# Altium PCB BMS Slave V0.1.PcbDoc (part 5 of 6) (continued)
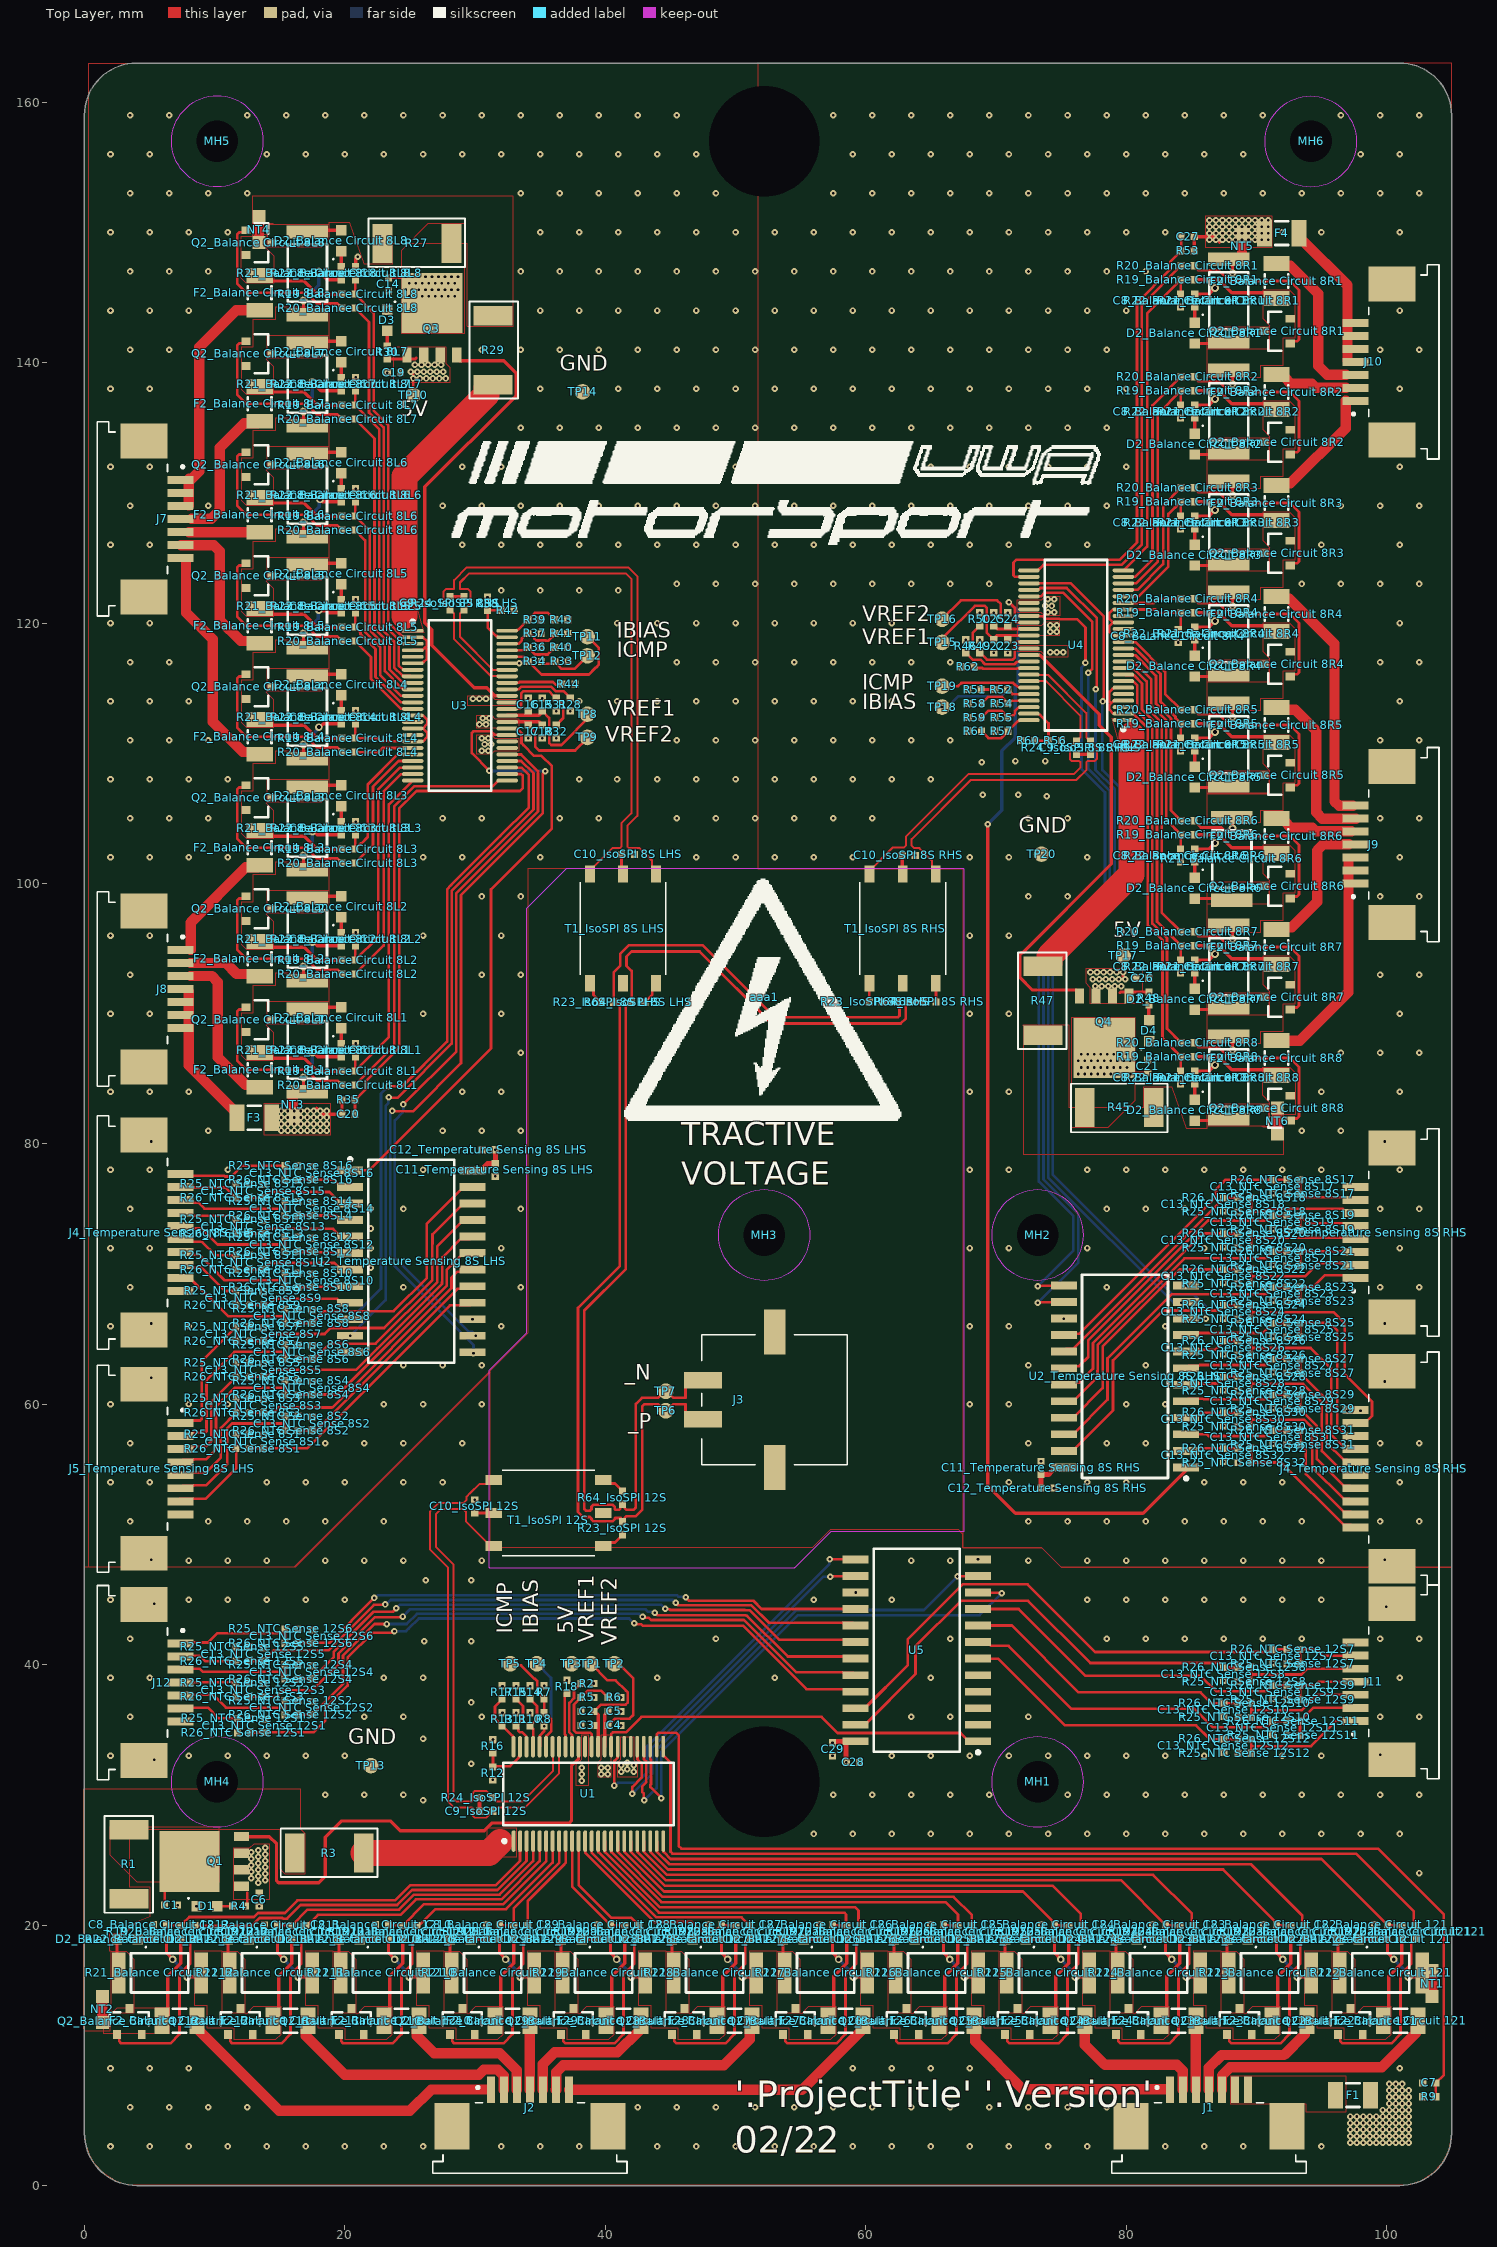
[diagram p0: Top Layer view]
## Nets (pads, with @x,y where several pads share a name; then routed paths per layer and width w, separated by ;. In a path a pad name is that pad's centre, name@x,y a point inside that pad or via, vN(x,y) a via of type N, cw(c..) or ccw(c..) an arc to the next point about the centre after c; other vN are vias at no path point) (continued)
"Out3_Temperature Sensing 8S LHS": "C13_NTC Sense 8S3.2" "R26_NTC Sense 8S3.1" "U2_Temperature Sensing 8S LHS.18" | length 22.2
  Top Layer w0.203: 12.65,59.35 12.663,59.363 13.738,59.363 13.75,59.375 14.525,59.375 14.9,59.75 18.992,59.75 19.01,59.768 19.046,59.768 28.19,68.913 28.19,69.74 28.633,70.183 29.643,70.183 29.8,70.34
"Out3_Temperature Sensing 8S RHS": "C13_NTC Sense 8S19.2" "R26_NTC Sense 8S19.1" "U2_Temperature Sensing 8S RHS.18" | length 22.7
  Top Layer w0.203: 75.213,62.773 75.37,62.93 76.38,62.93 77.1,63.65 77.1,64.92 86.292,74.113 90.887,74.113 91.25,74.475 91.262,74.488 92.337,74.488 92.35,74.5
Out4: "C13_NTC Sense 12S4.2" "R26_NTC Sense 12S4.1" U5.18 | length 46.6
  Top Layer w0.203: 16.4,38.9 16.413,38.913 17.488,38.913 17.5,38.925 19.149,40.574 19.149,41.005 22.211,44.067 23.684,44.067 v1(23.942,44.325) ; v1(44.611,44.3) 44.649,44.262 44.93,44.262 44.992,44.2 50.734,44.2 50.739,44.194 51.081,44.194 53.35,41.925 59.035,41.925 U5.18@59.225,41.735
  Bottom Layer w0.203: v1(23.942,44.325) 23.942,44.337 24.219,44.614 26.564,44.614 44.294,44.614 44.607,44.3 v1(44.611,44.3)
"Out4_Temperature Sensing 8S LHS": "C13_NTC Sense 8S4.2" "R26_NTC Sense 8S4.1" "U2_Temperature Sensing 8S LHS.19" | length 19.6
  Top Layer w0.203: 16.4,60.725 16.413,60.738 17.488,60.738 17.5,60.75 ; 16.5,60.75 19.145,60.75 19.453,60.75 27.835,69.132 27.835,69.888 27.835,70.345 29.1,71.61 29.8,71.61
"Out4_Temperature Sensing 8S RHS": "C13_NTC Sense 8S20.2" "R26_NTC Sense 8S20.1" "U2_Temperature Sensing 8S RHS.19" | length 19.4
  Top Layer w0.203: 75.213,61.503 75.371,61.661 76.379,61.661 77.457,62.74 77.457,63.197 77.457,64.703 85.867,73.113 87.512,73.113 ; 87.5,73.1 87.512,73.113 ; 88.6,73.125 88.587,73.113 87.512,73.113
Out5: "C13_NTC Sense 12S5.2" "R26_NTC Sense 12S5.1" U5.17 | length 49.5
  Top Layer w0.203: 12.65,40.275 12.663,40.288 13.738,40.288 13.75,40.3 14.571,41.121 18.762,41.121 22.241,44.6 v1@23.1,44.6 ; v1(45.4,44.75) 45.594,44.556 51.222,44.556 52.553,43.225 58.208,43.225 58.229,43.203 59.027,43.203 U5.17@59.225,43.005
  Bottom Layer w0.203: v1(23.092,44.625) 23.173,44.625 23.517,44.969 25.769,44.969 45.181,44.969 v1@45.497,44.653
"Out5_Temperature Sensing 8S LHS": "C13_NTC Sense 8S5.2" "R26_NTC Sense 8S5.1" "U2_Temperature Sensing 8S LHS.20" | length 22.5
  Top Layer w0.203: 12.65,62.1 12.663,62.113 13.738,62.113 13.75,62.125 ; 14.014,62.125 14.539,62.65 20.85,62.65 22.494,64.294 27.456,69.256 27.456,69.382 27.479,69.405 27.479,71.279 28.882,72.682 29.602,72.682 29.8,72.88
"Out5_Temperature Sensing 8S RHS": "C13_NTC Sense 8S21.2" "R26_NTC Sense 8S21.1" "U2_Temperature Sensing 8S RHS.20" | length 22.3
  Top Layer w0.203: 76.131,60.431 77.805,62.105 77.805,62.584 77.813,62.593 77.813,64.555 84.47,71.213 90.738,71.213 91.25,71.725 91.262,71.738 92.337,71.738 92.35,71.75
Out6: "C13_NTC Sense 12S6.2" "R26_NTC Sense 12S6.1" U5.16 | length 44.7
  Top Layer w0.203: 16.4,41.65 16.413,41.663 17.488,41.663 17.5,41.675 18.813,41.675 v1@22.213,45.075 ; v1(46.164,45.17) 46.172,45.17 46.431,44.911 51.37,44.911 52.006,44.275 U5.16@59.225,44.275
  Bottom Layer w0.203: v1(22.242,45.125) 22.323,45.125 22.523,45.325 45.507,45.325 45.609,45.223 46.11,45.223 v1(46.164,45.17)
"Out6_Temperature Sensing 8S LHS": "C13_NTC Sense 8S6.2" "R26_NTC Sense 8S6.1" "U2_Temperature Sensing 8S LHS.21" | length 19.4
  Top Layer w0.203: 16.4,63.475 16.413,63.488 17.488,63.488 17.5,63.5 17.725,63.5 18.875,64.65 22.347,64.65 27.1,69.403 27.1,72.15 29.1,74.15 29.8,74.15
"Out6_Temperature Sensing 8S RHS": "C13_NTC Sense 8S22.2" "R26_NTC Sense 8S22.1" "U2_Temperature Sensing 8S RHS.21" | length 19.3
  Top Layer w0.203: 75.913,58.963 78.192,61.242 78.192,64.432 84.11,70.35 87.5,70.35 87.512,70.363 88.587,70.363 88.6,70.375
Out7: "C13_NTC Sense 12S7.2" "R26_NTC Sense 12S7.1" U5.22 | length 40.5
  Top Layer w0.203: U5.22@59.225,36.655 59.925,36.655 63.225,39.955 63.225,41.95 67.45,46.175 72.425,46.175 77.626,40.974 90.958,40.974 90.96,40.977 91.077,40.977 91.25,41.15 91.262,41.163 92.337,41.163 92.35,41.175
"Out7_Temperature Sensing 8S LHS": "C13_NTC Sense 8S7.2" "R26_NTC Sense 8S7.1" "U2_Temperature Sensing 8S LHS.22" | length 23.6
  Top Layer w0.203: 12.65,64.85 12.663,64.863 13.738,64.863 13.75,64.875 14.275,65.4 18.45,65.4 18.904,65.854 23.013,65.854 26.719,69.561 26.719,72.308 26.725,72.314 26.725,73.045 29.1,75.42 29.8,75.42
"Out7_Temperature Sensing 8S RHS": "C13_NTC Sense 8S23.2" "R26_NTC Sense 8S23.1" "U2_Temperature Sensing 8S RHS.22" | length 23
  Top Layer w0.203: 75.913,57.693 78.573,60.353 78.573,63.524 83.512,68.463 90.738,68.463 91.25,68.975 91.262,68.988 92.337,68.988 92.35,69
Out8: "C13_NTC Sense 12S8.2" "R26_NTC Sense 12S8.1" U5.23 | length 36.7
  Top Layer w0.203: U5.23@59.225,35.385 59.925,35.385 63.822,39.282 63.822,41.422 67.3,44.9 72.475,44.9 77.25,40.125 87.15,40.125 87.327,39.948 87.5,39.775 87.512,39.787 88.587,39.787 88.6,39.8
"Out8_Temperature Sensing 8S LHS": "C13_NTC Sense 8S8.2" "R26_NTC Sense 8S8.1" "U2_Temperature Sensing 8S LHS.23" | length 20.2
  Top Layer w0.203: 16.4,66.225 16.413,66.238 17.488,66.238 17.5,66.25 18.404,67.154 23.738,67.154 26.3,69.716 26.3,73.875 28.927,76.502 28.927,76.517 29.1,76.69 29.8,76.69
"Out8_Temperature Sensing 8S RHS": "C13_NTC Sense 8S24.2" "R26_NTC Sense 8S24.1" "U2_Temperature Sensing 8S RHS.23" | length 19.3
  Top Layer w0.203: 76.086,56.611 78.992,59.517 78.992,63.368 82.824,67.2 87.1,67.2 87.5,67.6 87.513,67.613 88.588,67.613 88.6,67.625
Out9: "C13_NTC Sense 12S9.2" "R26_NTC Sense 12S9.1" U5.9 | length 26.5
  Top Layer w0.203: U5.9@68.625,44.275 71.745,44.275 76.87,39.15 85.725,39.15 86.925,37.95 90.8,37.95 91.25,38.4 91.262,38.413 92.337,38.413 92.35,38.425
"Out9_Temperature Sensing 8S LHS": "C13_NTC Sense 8S9.2" "R26_NTC Sense 8S9.1" "U2_Temperature Sensing 8S LHS.9" | length 8.1
  Top Layer w0.203: 12.65,67.6 12.663,67.613 13.738,67.613 13.836,67.711 14.211,67.711 14.6,68.1 19.4,68.1 19.7,67.8 20.4,67.8
"Out9_Temperature Sensing 8S RHS": "C13_NTC Sense 8S25.2" "R26_NTC Sense 8S25.1" "U2_Temperature Sensing 8S RHS.9" | length 8.1
  Top Layer w0.203: 84.613,65.313 84.775,65.475 90.5,65.475 91.25,66.225 91.262,66.238 92.337,66.238 92.35,66.25
Out10: "C13_NTC Sense 12S10.2" "R26_NTC Sense 12S10.1" U5.8 | length 22.5
  Top Layer w0.203: U5.8@68.625,43.005 71.219,43.005 76.344,37.88 85.72,37.88 86.575,37.025 87.5,37.025 87.512,37.038 88.587,37.038 88.6,37.05
"Out10_Temperature Sensing 8S LHS": "C13_NTC Sense 8S10.2" "R26_NTC Sense 8S10.1" "U2_Temperature Sensing 8S LHS.8" | length 5.7
  Top Layer w0.203: 16.4,68.975 16.413,68.988 17.488,68.988 17.5,69 17.535,69.035 ; 16.535,69.035 20.365,69.035 20.4,69.07 19.7,69.07
"Out10_Temperature Sensing 8S RHS": "C13_NTC Sense 8S26.2" "R26_NTC Sense 8S26.1" "U2_Temperature Sensing 8S RHS.8" | length 4.9
  Top Layer w0.203: 84.647,64.078 84.613,64.043 85.313,64.043 ; 84.754,64.175 86.825,64.175 87.5,64.85 87.512,64.863 88.478,64.863 88.587,64.863 88.6,64.875
Out11: "C13_NTC Sense 12S11.2" "R26_NTC Sense 12S11.1" U5.7 | length 26.6
  Top Layer w0.203: U5.7@68.625,41.735 69.325,41.735 69.61,41.45 70.978,41.45 75.818,36.61 85.24,36.61 86.65,35.2 90.8,35.2 91.25,35.65 91.262,35.663 92.337,35.663 92.35,35.675
"Out11_Temperature Sensing 8S LHS": "C13_NTC Sense 8S11.2" "R26_NTC Sense 8S11.1" "U2_Temperature Sensing 8S LHS.7" | length 8.2
  Top Layer w0.203: 12.65,70.35 12.663,70.363 13.738,70.363 14.225,70.85 19.19,70.85 19.7,70.34 20.4,70.34
"Out11_Temperature Sensing 8S RHS": "C13_NTC Sense 8S27.2" "R26_NTC Sense 8S27.1" "U2_Temperature Sensing 8S RHS.7" | length 8
  Top Layer w0.203: 84.613,62.773 84.811,62.971 85.588,62.971 85.63,63.013 90.788,63.013 91.25,63.475 91.262,63.488 92.337,63.488 92.35,63.5
Out12: "C13_NTC Sense 12S12.2" "R26_NTC Sense 12S12.1" U5.6 | length 22.5
  Top Layer w0.203: U5.6@68.625,40.465 70.167,40.465 75.292,35.34 85.36,35.34 86.425,34.275 87.5,34.275 87.512,34.288 88.587,34.288 88.6,34.3
"Out12_Temperature Sensing 8S LHS": "C13_NTC Sense 8S12.2" "R26_NTC Sense 8S12.1" "U2_Temperature Sensing 8S LHS.6" | length 5.1
  Top Layer w0.203: 16.4,71.725 16.413,71.738 17.488,71.738 17.5,71.75 17.57,71.68 ; 16.57,71.68 20.33,71.68 20.4,71.61
"Out12_Temperature Sensing 8S RHS": "C13_NTC Sense 8S28.2" "R26_NTC Sense 8S28.1" "U2_Temperature Sensing 8S RHS.6" | length 4.1
  Top Layer w0.203: 84.613,61.503 84.683,61.433 ; 84.825,61.6 87,61.6 87.5,62.1 87.512,62.112 88.442,62.112 88.587,62.112 88.6,62.125
"Out13_Temperature Sensing 8S LHS": "C13_NTC Sense 8S13.2" "R26_NTC Sense 8S13.1" "U2_Temperature Sensing 8S LHS.5" | length 8.2
  Top Layer w0.203: 12.65,73.1 12.663,73.113 13.738,73.113 14.1,73.475 19.105,73.475 19.7,72.88 20.4,72.88
"Out13_Temperature Sensing 8S RHS": "C13_NTC Sense 8S29.2" "R26_NTC Sense 8S29.1" "U2_Temperature Sensing 8S RHS.5" | length 8
  Top Layer w0.203: 84.613,60.233 84.805,60.425 85.914,60.425 85.952,60.388 90.913,60.388 91.262,60.737 92.337,60.737 92.35,60.75
"Out14_Temperature Sensing 8S LHS": "C13_NTC Sense 8S14.2" "R26_NTC Sense 8S14.1" "U2_Temperature Sensing 8S LHS.4" | length 5.2
  Top Layer w0.203: 16.4,74.475 16.413,74.488 17.488,74.488 17.5,74.5 ; 16.5,74.5 19.35,74.5 19.7,74.15 20.4,74.15
"Out14_Temperature Sensing 8S RHS": "C13_NTC Sense 8S30.2" "R26_NTC Sense 8S30.1" "U2_Temperature Sensing 8S RHS.4" | length 4.1
  Top Layer w0.203: 84.613,58.963 85.313,58.963 85.225,59.05 ; 85.5,59.05 85.813,59.362 87.5,59.362 87.512,59.362 ; 87.5,59.35 87.512,59.362 ; 88.6,59.375 88.587,59.362 87.512,59.362
"Out15_Temperature Sensing 8S LHS": "C13_NTC Sense 8S15.2" "R26_NTC Sense 8S15.1" "U2_Temperature Sensing 8S LHS.3" | length 8.3
  Top Layer w0.203: 12.65,75.85 12.663,75.863 13.738,75.863 13.75,75.875 14.175,76.3 18.82,76.3 19.7,75.42 20.4,75.42
"Out15_Temperature Sensing 8S RHS": "C13_NTC Sense 8S31.2" "R26_NTC Sense 8S31.1" "U2_Temperature Sensing 8S RHS.3" | length 8
  Top Layer w0.203: 84.613,57.693 86.207,57.693 86.337,57.563 90.838,57.563 91.25,57.975 91.262,57.987 92.337,57.987 92.35,58
"Out16_Temperature Sensing 8S LHS": "C13_NTC Sense 8S16.2" "R26_NTC Sense 8S16.1" "U2_Temperature Sensing 8S LHS.2" | length 5.3
  Top Layer w0.203: 16.4,77.225 16.413,77.238 17.488,77.238 17.5,77.25 ; 16.5,77.25 19.14,77.25 19.7,76.69 20.4,76.69 20.37,76.72
"Out16_Temperature Sensing 8S RHS": "C13_NTC Sense 8S32.2" "R26_NTC Sense 8S32.1" "U2_Temperature Sensing 8S RHS.2" | length 4.5
  Top Layer w0.203: 84.643,56.393 84.613,56.423 85.313,56.423 85.123,56.612 87.5,56.612 87.512,56.612 ; 87.5,56.6 87.512,56.612 ; 88.6,56.625 88.587,56.612 88.513,56.612 87.512,56.612
S8L_1: "R20_Balance Circuit 8L1.2" U3.25 | length 32.1
  Top Layer w0.203: 20.775,84.51 23.788,87.523 23.788,105.907 25.358,107.478 31.359,107.478 31.788,107.907 U3.25@32.463,107.907
S8L_2: "R20_Balance Circuit 8L2.2" U3.23 | length 17.7
  Top Layer w0.203: 20.775,93.035 22.975,95.235 22.975,107.069 24.304,108.398 25.204,108.398 U3.23@25.213,108.407
S8L_3: "R20_Balance Circuit 8L3.2" U3.21 | length 10.3
  Top Layer w0.203: 20.775,101.56 22.162,102.947 22.162,107.432 24.129,109.398 25.204,109.398 U3.21@25.213,109.407
S8L_4: "R20_Balance Circuit 8L4.2" U3.19 | length 4.6
  Top Layer w0.203: 20.775,110.085 22.563,110.085 22.885,110.407 U3.19@25.213,110.407
S8L_5: "R20_Balance Circuit 8L5.2" U3.13 | length 7.6
  Top Layer w0.203: 20.775,118.61 22,117.385 22,115.706 24.281,113.426 25.194,113.426 U3.13@25.213,113.407
S8L_6: "R20_Balance Circuit 8L6.2" U3.11 | length 15.1
  Top Layer w0.203: 20.775,127.135 21.56,126.35 21.56,119.296 22.712,118.144 22.712,116.001 24.287,114.426 25.194,114.426 U3.11@25.213,114.407
S8L_7: "R20_Balance Circuit 8L7.2" U3.9 | length 22.5
  Top Layer w0.203: 20.775,135.66 22.271,134.164 22.271,119.59 23.423,118.439 23.423,116.445 24.365,115.503 24.374,115.503 24.416,115.503 24.512,115.407 U3.9@25.213,115.407
S8L_8: "R20_Balance Circuit 8L8.2" U3.7 | length 29.6
  Top Layer w0.203: 20.775,144.185 21.857,143.103 21.857,136.156 22.982,135.031 22.982,119.885 24.134,118.733 24.134,116.74 24.448,116.426 24.744,116.426 U3.7@24.763,116.407
S8R_1: "R20_Balance Circuit 8R1.2" U4.25 | length 32.1
  Top Layer w0.203: U4.25@72.537,124.043 73.212,124.043 73.641,124.472 79.642,124.472 81.212,126.043 81.212,144.427 84.225,147.44
S8R_2: "R20_Balance Circuit 8R2.2" U4.23 | length 17.7
  Top Layer w0.203: U4.23@79.787,123.543 79.796,123.552 80.696,123.552 82.025,124.881 82.025,136.715 84.225,138.915
S8R_3: "R20_Balance Circuit 8R3.2" U4.21 | length 10.3
  Top Layer w0.203: U4.21@79.787,122.543 79.796,122.552 80.871,122.552 82.838,124.518 82.838,129.003 84.225,130.39
S8R_4: "R20_Balance Circuit 8R4.2" U4.19 | length 4.6
  Top Layer w0.203: U4.19@79.787,121.543 82.115,121.543 82.437,121.865 84.225,121.865
S8R_5: "R20_Balance Circuit 8R5.2" U4.13 | length 7.6
  Top Layer w0.203: U4.13@79.787,118.543 79.806,118.524 80.719,118.524 83,116.244 83,114.565 84.225,113.34
S8R_6: "R20_Balance Circuit 8R6.2" U4.11 | length 15.1
  Top Layer w0.203: U4.11@79.787,117.543 79.806,117.524 80.713,117.524 82.288,115.949 82.288,113.806 83.44,112.654 83.44,105.6 84.225,104.815
S8R_7: "R20_Balance Circuit 8R7.2" U4.9 | length 22.5
  Top Layer w0.203: U4.9@79.787,116.543 80.488,116.543 80.584,116.447 80.626,116.447 80.635,116.447 81.577,115.505 81.577,113.511 82.729,112.36 82.729,97.786 84.225,96.29
S8R_8: "R20_Balance Circuit 8R8.2" U4.7 | length 29.6
  Top Layer w0.203: U4.7@80.237,115.543 80.256,115.524 80.552,115.524 80.866,115.21 80.866,113.217 82.018,112.065 82.018,96.919 83.143,95.794 83.143,88.847 84.225,87.765
S12_1: "R20_Balance Circuit 121.2" U1.25 | length 68.3
  Top Layer w0.203: U1.25@44.453,33.706 44.453,33.031 45.003,32.481 45.003,25.637 45.152,25.488 97.653,25.488 102.1,21.041 102.1,20.057
S12_2: "R20_Balance Circuit 122.2" U1.23 | length 53.3
  Top Layer w0.203: U1.23@43.934,26.437 43.972,26.4 43.972,25.628 44.925,24.675 89.6,24.675 93.525,20.75 93.525,20.272 93.577,20.22 93.577,20.123 93.725,19.975
S12_3: "R20_Balance Circuit 123.2" U1.21 | length 45.8
  Top Layer w0.203: U1.21@42.953,26.456 42.972,26.437 42.972,25.623 44.732,23.862 44.975,23.862 82.063,23.862 85.05,20.875 85.05,19.985
S12_4: "R20_Balance Circuit 124.2" U1.19 | length 38.2
  Top Layer w0.203: U1.19@41.953,26.456 41.972,26.437 41.972,25.617 44.559,23.029 44.975,23.029 74.358,23.029 76.525,20.862 76.525,19.988
S12_5: "R20_Balance Circuit 125.2" U1.17 | length 30.8
  Top Layer w0.203: U1.17@40.953,26.456 40.972,26.437 40.972,25.611 44.407,22.175 45.275,22.175 66.757,22.175 68.15,20.782 68.15,19.975
S12_6: "R20_Balance Circuit 126.2" U1.15 | length 23.4
  Top Layer w0.203: U1.15@39.953,26.456 39.972,26.437 39.972,25.605 44.214,21.362 59.202,21.362 59.45,21.115 59.45,20.272 59.477,20.245 59.477,20.123 59.625,19.975
S12_7: "R20_Balance Circuit 127.2" U1.13 | length 15.3
  Top Layer w0.203: U1.13@38.953,26.456 38.972,26.437 38.972,25.553 43.925,20.6 50.475,20.6 51.1,19.975
S12_8: "R20_Balance Circuit 128.2" U1.11 | length 9.3
  Top Layer w0.203: U1.11@37.934,26.437 U1.11@37.953,26.456 37.953,23.072 40.471,20.554 41.996,20.554 42.575,19.975
S12_9: "R20_Balance Circuit 129.2" U1.9 | length 7.7
  Top Layer w0.203: 34.05,19.975 34.05,21.872 36.809,24.631 36.809,24.634 36.953,24.778 U1.9@36.953,26.456
S12_10: "R20_Balance Circuit 1210.2" U1.7 | length 14
  Top Layer w0.203: 25.663,19.931 26.957,21.225 32.374,21.225 35.953,24.804 U1.7@35.953,26.456
S12_11: "R20_Balance Circuit 1211.2" U1.5 | length 21.5
  Top Layer w0.203: 17.063,19.931 17.921,20.789 24.261,20.789 25.453,21.981 32.018,21.981 34.953,24.916 U1.5@34.953,26.456
S12_12: "R20_Balance Circuit 1212.2" U1.3 | length 29.1
  Top Layer w0.203: 8.463,19.931 12.825,19.931 13.446,20.552 15.204,20.552 15.254,20.502 15.556,20.502 16.598,21.544 24.011,21.544 25.161,22.694 31.722,22.694 33.953,24.925 U1.3@33.953,26.456
T8L_8: "F2_Balance Circuit 8L8.2" "Q2_Balance Circuit 8L8.2" "R19_Balance Circuit 8L8.1" NT4.1 | length 6.9
  Top Layer w0.254: 13.45,146.695 13.885,146.26 16.875,146.26 17.875,145.26 19.725,145.26
T8R_8: "F2_Balance Circuit 8R8.2" "Q2_Balance Circuit 8R8.2" "R19_Balance Circuit 8R8.1" NT6.1 | length 6.9
  Top Layer w0.254: 85.275,86.69 87.125,86.69 88.125,85.69 91.115,85.69 91.55,85.255
T12_12: "F2_Balance Circuit 1212.2" "Q2_Balance Circuit 1212.2" "R19_Balance Circuit 1212.1" NT2.1 | length 6.9
  Top Layer w0.254: 5.965,12.65 6.4,13.085 6.4,16.075 7.4,17.075 7.4,18.925
V8L_0_4: F3.1 J8.4 J8.5 J8.6 J8.7 | length 10.5
  Top Layer w0.8: J8.7@8,88.798 8,86.025 F3.1@11.525,82.5 ; J8.7@8,88.893 J8.4@8,91.672
V8L_1: "F2_Balance Circuit 8L1.1" J8.3 | length 11.8
  Top Layer w0.8: J8.3@8.15,92.893 9.781,92.893 10.25,92.424 10.25,86.65 12.38,84.52 12.835,84.52 13,84.355
V8L_2: "F2_Balance Circuit 8L2.1" J8.2 | length 5.7
  Top Layer w0.8: J8.2@8.15,93.893 10.857,93.893 11.705,93.045 13.28,93.045 13.45,92.875
V8L_3: "F2_Balance Circuit 8L3.1" J8.1 | length 9.3
  Top Layer w0.8: J8.1@8.15,94.893 8.15,97 12.38,101.23 13.28,101.23 13.526,101.476
V8L_4: "F2_Balance Circuit 8L4.1" J7.7 | length 18
  Top Layer w0.8: J7.7@7.8,124.905 7.8,120.8 9.85,118.75 9.85,112.4 12.155,110.095 13.28,110.095 13.45,109.925
V8L_5: "F2_Balance Circuit 8L5.1" J7.6 | length 12.2
  Top Layer w0.8: J7.6@7.426,125.968 9.936,125.968 10.402,125.502 10.402,120.223 12.005,118.62 13.28,118.62 13.45,118.45
V8L_6: "F2_Balance Circuit 8L6.1" J7.5 | length 5.4
  Top Layer w0.8: J7.5@8.026,126.975 13.45,126.975
V8L_7: "F2_Balance Circuit 8L7.1" J7.4 | length 11.1
  Top Layer w0.8: J7.4@8.25,128 9.75,128 10.402,128.652 10.402,133.456 12.276,135.33 13.28,135.33 13.45,135.5
V8L_8: "F2_Balance Circuit 8L8.1" J7.1 J7.2 J7.3 | length 18.3
  Top Layer w0.8: J7.3@8,129.035 J7.1@8,131 ; J7.1@8.026,131.095 8.226,131.095 8.8,131.668 8.8,141.175 11.65,144.025 13.45,144.025
V8R_0_5: F4.1 J10.4 J10.5 J10.6 J10.7 | length 10.7
  Top Layer w0.8: F4.1@93.475,149.45 97,145.925 J10.4@97,140.163
V8R_1: "F2_Balance Circuit 8R1.1" J10.3 | length 11.6
  Top Layer w0.8: 92,147.595 92.165,147.43 92.62,147.43 94.75,145.3 94.75,139.75 95.443,139.057 J10.3@96.85,139.057
V8R_2: "F2_Balance Circuit 8R2.1" J10.2 | length 5.7
  Top Layer w0.8: 91.55,139.075 91.995,139.075 92.165,138.905 92.165,138.863 92.634,138.394 94.273,138.394 94.61,138.057 J10.2@96.85,138.057
V8R_3: "F2_Balance Circuit 8R3.1" J10.1 | length 9.3
  Top Layer w0.8: 91.474,130.474 91.72,130.72 92.62,130.72 96.85,134.95 J10.1@96.85,137.057
V8R_4: "F2_Balance Circuit 8R4.1" J9.7 | length 19.6
  Top Layer w0.8: 91.55,122.025 91.72,121.855 92.545,121.855 96,118.4 96,106.327 96.352,105.975 J9.7@97.4,105.975
V8R_5: "F2_Balance Circuit 8R5.1" J9.6 | length 13.3
  Top Layer w0.8: 91.55,113.5 91.72,113.33 92.995,113.33 94.598,111.727 94.598,105.451 95.066,104.982 J9.6@97.625,104.982
V8R_6: "F2_Balance Circuit 8R6.1" J9.5 | length 6.2
  Top Layer w0.8: 91.55,104.975 91.995,104.975 92.165,104.805 92.165,104.763 92.634,104.294 94.295,104.294 94.589,104 J9.5@97.275,104
V8R_7: "F2_Balance Circuit 8R7.1" J9.4 | length 10.6
  Top Layer w0.8: 91.55,96.45 91.72,96.62 92.724,96.62 94.679,98.575 94.679,102.531 95.148,103 J9.4@97.1,103
V8R_8: "F2_Balance Circuit 8R8.1" J9.1 J9.2 J9.3 | length 17.2
  Top Layer w0.8: 91.55,87.925 93.35,87.925 97.075,91.65 J9.1@97.075,99.887 ; J9.1@97.075,99.982 J9.3@97.075,101.848
V12_0_2: F1.1 J1.6 J1.7
V12_1: "F2_Balance Circuit 121.1" J1.5 | length 18.3
  Top Layer w0.8: J1.5@87.36,7.357 87.36,8.443 87.989,9.073 99.634,9.073 102.24,11.679 102.24,12.48 102.41,12.65
V12_2: "F2_Balance Circuit 122.1" J1.4 | length 11.2
  Top Layer w0.8: J1.4@86.36,7.357 86.36,9.035 87.35,10.025 92.125,10.025 93.715,11.615 93.715,12.48 93.885,12.65
V12_3: "F2_Balance Circuit 123.1" J1.3 | length 5.3
  Top Layer w0.8: J1.3@85.36,7.357 85.36,12.65
V12_4: "F2_Balance Circuit 124.1" J1.2 | length 11.6
  Top Layer w0.8: 76.835,12.65 76.835,10.815 78.375,9.275 83.891,9.275 84.36,8.806 J1.2@84.36,7.357
V12_5: "F2_Balance Circuit 125.1" J1.1 | length 17.7
  Top Layer w0.8: 68.31,12.65 68.409,12.551 68.409,11.066 72.075,7.4 83,7.4
V12_6: "F2_Balance Circuit 126.1" J2.7 | length 25.1
  Top Layer w0.8: J2.7@37.21,7.357 55.107,7.357 59.615,11.865 59.615,12.48 59.785,12.65
V12_7: "F2_Balance Circuit 127.1" J2.6 | length 18.7
  Top Layer w0.8: J2.6@36.21,7.357 36.225,7.372 36.225,8.7 36.764,9.239 49.089,9.239 51.09,11.24 51.09,12.48 51.26,12.65
V12_8: "F2_Balance Circuit 128.1" J2.5 | length 11.2
  Top Layer w0.8: J2.5@35.21,7.357 35.21,9.31 36.125,10.225 40.925,10.225 42.565,11.865 42.565,12.48 42.735,12.65
V12_9: "F2_Balance Circuit 129.1" J2.4 | length 5.3
  Top Layer w0.8: J2.4@34.21,7.357 34.21,12.65
V12_10: "F2_Balance Circuit 1210.1" J2.3 | length 11.5
  Top Layer w0.8: 25.685,12.65 25.515,12.48 25.515,11.49 26.855,10.15 31.905,10.15 33.21,8.845 J2.3@33.21,7.357
V12_11: "F2_Balance Circuit 1211.1" J2.2 | length 19.1
  Top Layer w0.8: 17.16,12.65 16.99,12.48 16.99,11.49 19.982,8.498 30.265,8.498 30.676,8.909 31.744,8.909 32.21,8.443 J2.2@32.21,7.357
V12_12: "F2_Balance Circuit 1212.1" J2.1 | length 25.7
  Top Layer w0.8: 8.465,12.48 8.635,12.65 ; 8.85,11.85 14.95,5.75 25,5.75 26.625,7.375 J2.1@31.115,7.375
VBat8L: NT4.2 R27.2 R29.2
VBat8R: NT6.2 R45.2 R47.2
VBat12_12: NT2.2 R1.2 R3.2
VREF8L_1_4: C15.2 C16.2 TP8.1 U3.35 | length 9.7
  Top Layer w0.203: C15.2@35.163,113.232 35.692,112.703 35.692,110.794 35.858,110.628 36.618,110.628 TP8.1@38.947,112.957
  Top Layer w0.254: U3.35@32.463,112.907 34.913,112.907 C15.2@35.163,113.157
VREF8L_2: "R25_NTC Sense 8S1.2" "R25_NTC Sense 8S2.2" "R25_NTC Sense 8S3.2" "R25_NTC Sense 8S4.2" "R25_NTC Sense 8S5.2" "R25_NTC Sense 8S6.2" "R25_NTC Sense 8S7.2" "R25_NTC Sense 8S8.2" "R25_NTC Sense 8S9.2" "R25_NTC Sense 8S10.2" "R25_NTC Sense 8S11.2" "R25_NTC Sense 8S12.2" "R25_NTC Sense 8S13.2" "R25_NTC Sense 8S14.2" "R25_NTC Sense 8S15.2" "R25_NTC Sense 8S16.2" C17.2 C18.2 TP9.1 U3.34 | length 9.2
  Top Layer w0.203: C17.2@34.088,112.157 34.617,111.628 34.617,110.503 34.913,110.207 37.688,110.207 TP9.1@38.659,111.178
  Top Layer w0.254: U3.34@32.463,112.407 34.913,112.407 C18.2@35.163,112.157
  other v1: 12.65,57.7 16.4,59.075 12.65,60.45 16.4,61.825 12.65,63.2 16.4,64.575 12.65,65.95 16.4,67.325 12.65,68.7 16.4,70.075 12.65,71.45 16.4,72.825 12.65,74.2 16.4,75.575 12.65,76.95 16.4,78.325 30.338,112.207 30.838,112.207 30.588,112.682 31.088,112.682
VREF8R_1_5: C22.2 C23.2 TP15.1 U4.35 | length 10.3
  Top Layer w0.203: TP15.1@65.862,118.505 66.053,118.696 66.053,118.993 68.382,121.322 69.142,121.322 69.308,121.156 69.308,119.247 C22.2@69.837,118.718
  Top Layer w0.254: C22.2@69.837,118.793 70.087,119.043 U4.35@72.537,119.043
VREF8R_2: "R25_NTC Sense 8S17.2" "R25_NTC Sense 8S18.2" "R25_NTC Sense 8S19.2" "R25_NTC Sense 8S20.2" "R25_NTC Sense 8S21.2" "R25_NTC Sense 8S22.2" "R25_NTC Sense 8S23.2" "R25_NTC Sense 8S24.2" "R25_NTC Sense 8S25.2" "R25_NTC Sense 8S26.2" "R25_NTC Sense 8S27.2" "R25_NTC Sense 8S28.2" "R25_NTC Sense 8S29.2" "R25_NTC Sense 8S30.2" "R25_NTC Sense 8S31.2" "R25_NTC Sense 8S32.2" C24.2 C25.2 TP16.1 U4.34 | length 9.9
  Top Layer w0.203: TP16.1@65.862,120.293 67.312,121.743 70.087,121.743 70.383,121.447 70.383,120.322 C24.2@70.912,119.793
  Top Layer w0.254: C25.2@69.837,119.793 70.087,119.543 U4.34@72.537,119.543
  other v1: 88.6,55.525 92.35,56.9 88.6,58.275 92.35,59.65 88.6,61.025 92.35,62.4 88.6,63.775 92.35,65.15 88.6,66.525 92.35,67.9 88.6,69.275 92.35,70.65 88.6,72.025 92.35,73.4 88.6,74.775 92.35,76.15 74.162,119.318 74.662,119.318 74.162,119.818 74.662,119.818
VREF12_1_2: C2.2 C3.2 TP1.1 U1.35 | length 10.2
  Top Layer w0.203: TP1.1@38.915,40.075 40.186,38.805 40.785,38.805 41.58,38.01 41.583,38.01 41.732,37.861 41.732,37.101 41.728,37.097 41.566,36.935 39.657,36.935 C2.2@39.128,36.406
  Top Layer w0.254: C2.2@39.203,36.406 39.453,36.156 U1.35@39.453,33.706
VREF12_2: "R25_NTC Sense 12S1.2" "R25_NTC Sense 12S2.2" "R25_NTC Sense 12S3.2" "R25_NTC Sense 12S4.2" "R25_NTC Sense 12S5.2" "R25_NTC Sense 12S6.2" "R25_NTC Sense 12S7.2" "R25_NTC Sense 12S8.2" "R25_NTC Sense 12S9.2" "R25_NTC Sense 12S10.2" "R25_NTC Sense 12S11.2" "R25_NTC Sense 12S12.2" C4.2 C5.2 TP2.1 U1.34 | length 9.9
  Top Layer w0.203: C4.2@40.203,35.331 40.732,35.86 41.857,35.86 42.153,36.156 42.153,38.931 TP2.1@40.703,40.381
  Top Layer w0.254: U1.34@39.953,33.706 39.953,36.156 C5.2@40.203,36.406
  other v1: 39.678,31.581 40.178,31.581 39.678,32.081 40.178,32.081 88.6,33.2 92.35,34.575 12.75,35.875 88.6,35.95 16.4,37.25 92.35,37.325 12.65,38.625 88.6,38.7 16.4,40 92.35,40.075 12.65,41.375 16.4,42.75
WDT_2: R2.1 U1.39 | length 5.3
  Top Layer w0.203: U1.39@37.453,33.706 37.441,33.718 37.441,34.606 37.243,34.803 37.243,37.074 37.599,37.43 37.599,38.027 R2.1@38.128,38.556
WDT_4: R28.1 U3.39 | length 5.3
  Top Layer w0.203: U3.39@32.463,114.907 32.475,114.919 33.363,114.919 33.56,115.117 35.831,115.117 36.187,114.761 36.784,114.761 R28.1@37.313,114.232
WDT_5: R46.1 U4.39 | length 5.3
  Top Layer w0.203: R46.1@67.687,117.718 68.216,117.189 68.813,117.189 69.169,116.833 71.44,116.833 71.637,117.031 72.525,117.031 U4.39@72.537,117.043
pads on no net: "T1_IsoSPI 8S LHS.2" "T1_IsoSPI 8S LHS." "T1_IsoSPI 8S RHS.2" "T1_IsoSPI 8S RHS." "T1_IsoSPI 12S.2" "T1_IsoSPI 12S." J1.S1 J1.S2 J2.S1 J2.S2 J3.P1 J3.P2 J7.S1 J7.S2 J8.S1 J8.S2 J9.S1 J9.S2 J10.S1 J10.S2 MH1.1 MH2.1 MH3.1 MH4.1 MH5.1 MH6.1 U3.3 U3.5 U3.15 U3.17 U4.3 U4.5 U4.15 U4.17 U5.2 U5.3 U5.4 U5.5